# KiCad board AmigaPCI Mainboard.kicad_pcb (continued)
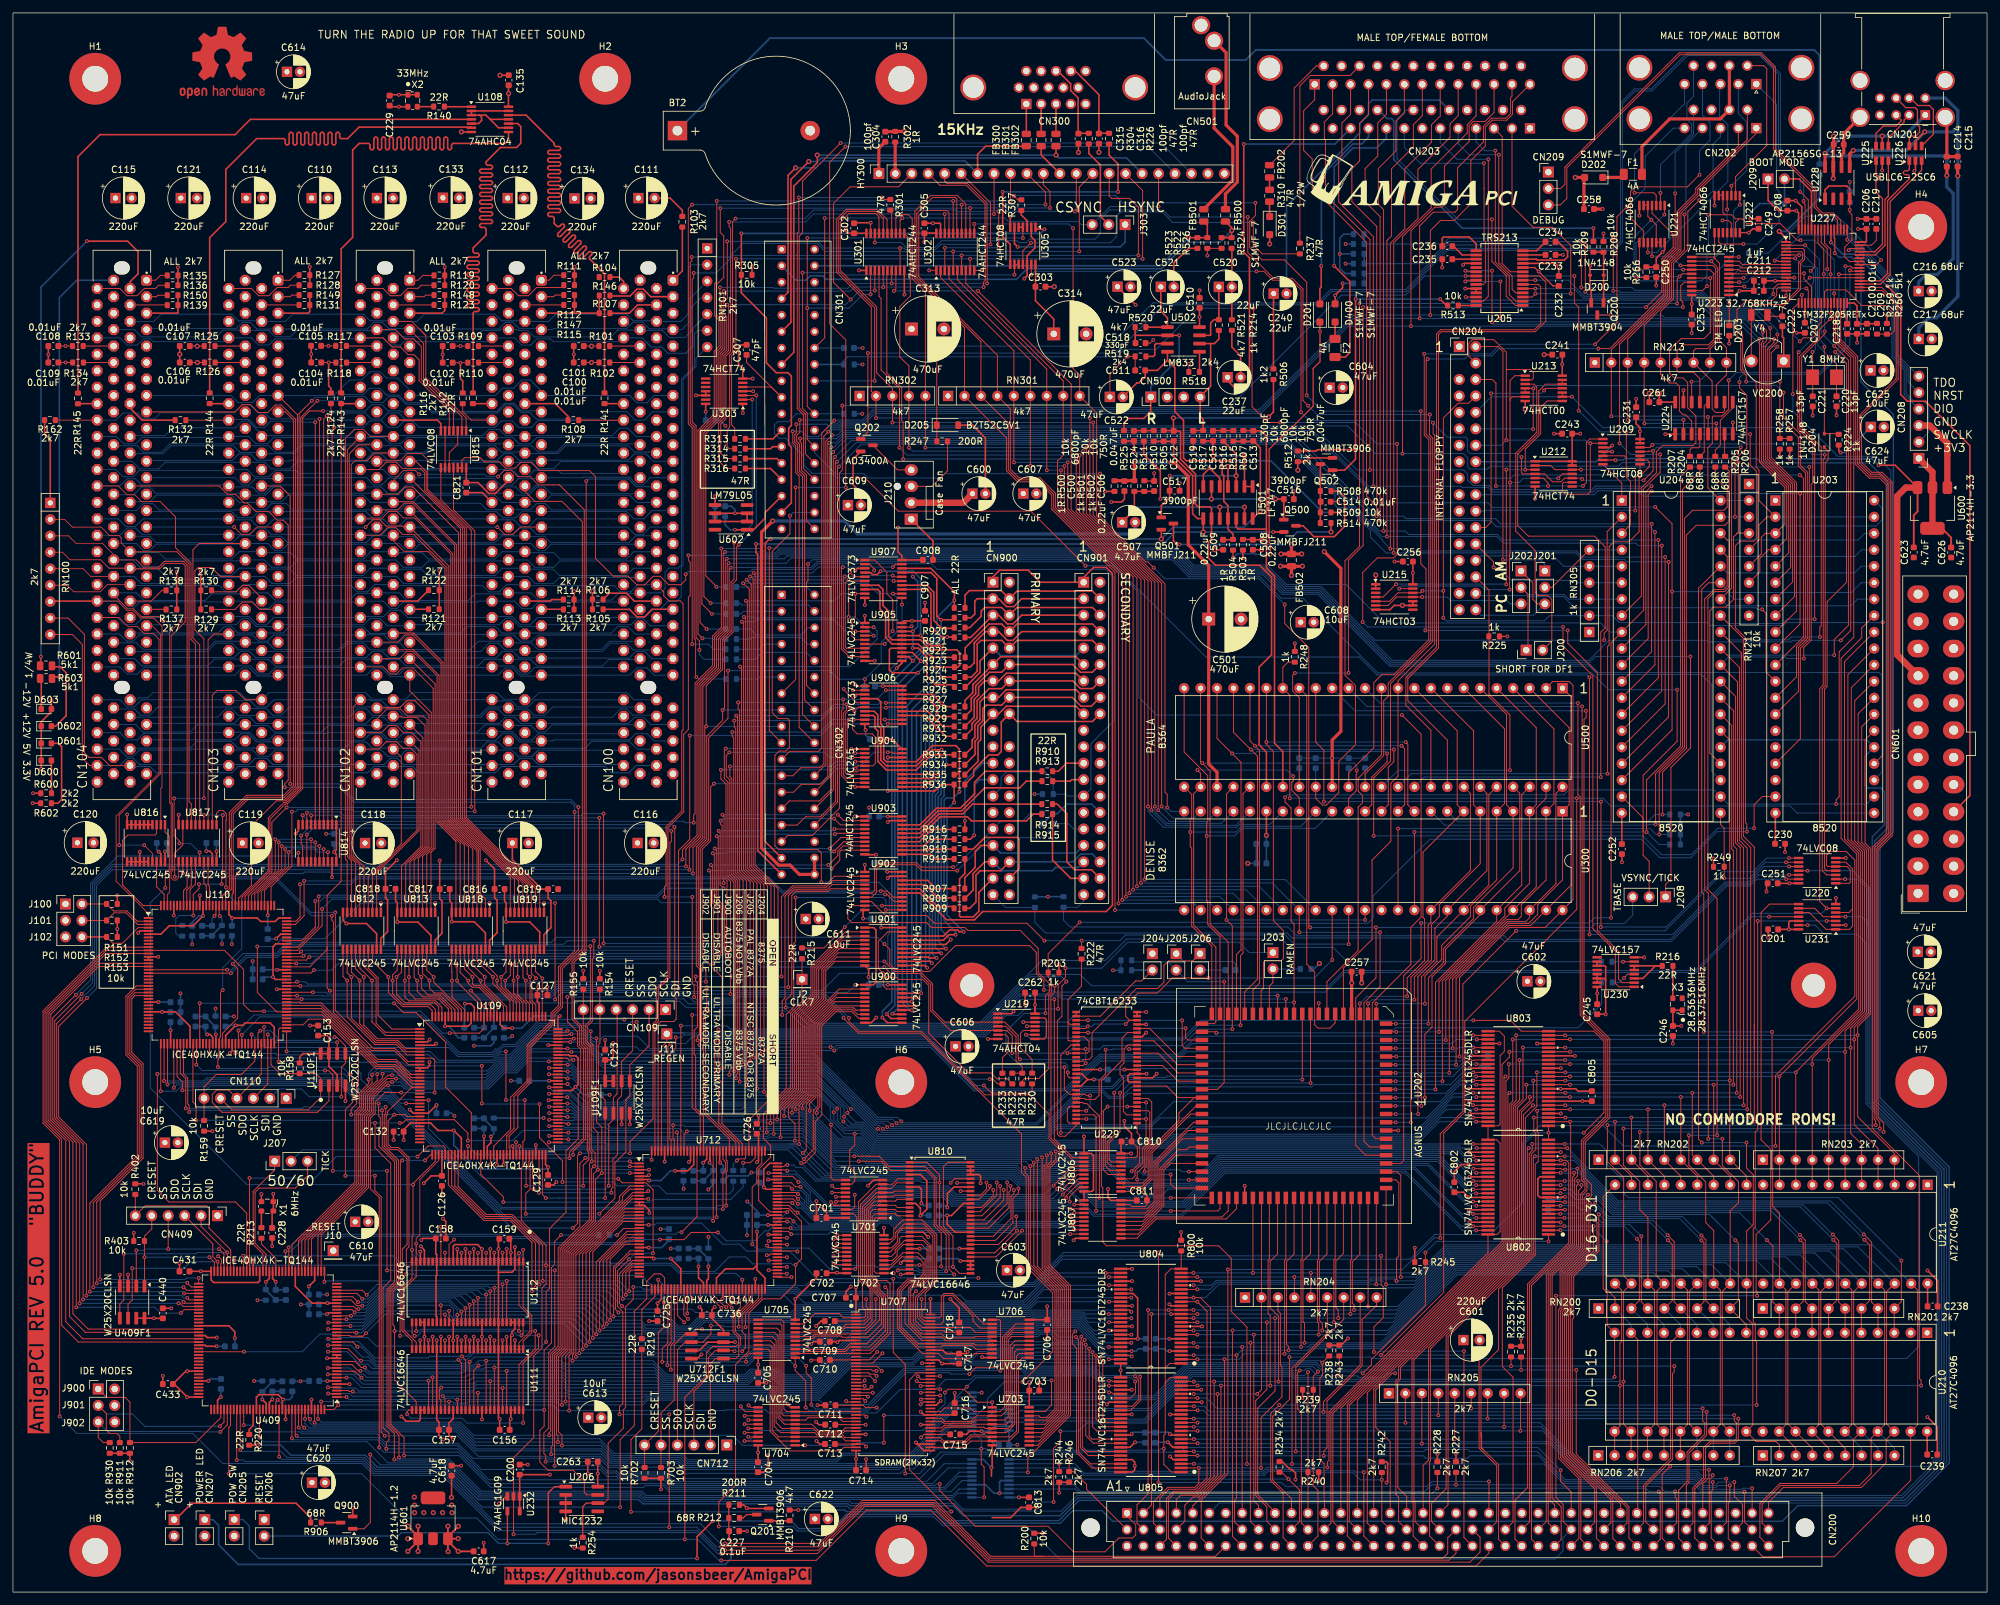
[diagram p0: board, top side]
## Routing (per net, layer and track width the routed paths; a pad name or vN(x,y) marks a point on that pad's centre or on a via; arc(x,y) is an arc through that point) (continued)
Net-(R144-Pad2): length 99.7
  Top w0.25: U108.6 70.69,226.21 53.43,226.21 51.66,224.43 50.75,224.43 arc(50.54,224.52) 50.45,224.73 50.45,225.11 arc(50.36,225.32) 50.15,225.41 arc(49.94,225.32) 49.85,225.11 49.85,223.76 arc(49.76,223.55) 49.55,223.46 arc(49.34,223.55) 49.25,223.76 49.25,225.11 arc(49.16,225.32) 48.95,225.41 arc(48.74,225.32) 48.65,225.11 48.65,223.76 arc(48.56,223.55) 48.35,223.46 arc(48.14,223.55) 48.05,223.76 48.05,225.11 arc(47.96,225.32) 47.75,225.41 arc(47.54,225.32) 47.45,225.11 47.45,223.76 arc(47.36,223.55) 47.15,223.46 arc(46.94,223.55) 46.85,223.76 46.85,225.11 arc(46.76,225.32) 46.55,225.41 arc(46.34,225.32) 46.25,225.11 46.25,223.76 arc(46.16,223.55) 45.95,223.46 arc(45.74,223.55) 45.65,223.76 45.65,225.11 arc(45.56,225.32) 45.35,225.41 arc(45.14,225.32) 45.05,225.11 45.05,223.76 arc(44.96,223.55) 44.75,223.46 arc(44.54,223.55) 44.45,223.76 44.45,225.11 arc(44.36,225.32) 44.15,225.41 arc(43.94,225.32) 43.85,225.11 43.85,223.76 arc(43.76,223.55) 43.55,223.46 arc(43.34,223.55) 43.25,223.76 43.25,225.11 arc(43.16,225.32) 42.95,225.41 arc(42.74,225.32) 42.65,225.11 42.65,223.76 arc(42.56,223.55) 42.35,223.46 arc(42.14,223.55) 42.05,223.76 42.05,224.13 arc(41.96,224.35) 41.75,224.43 37.62,224.43 32.87,219.68 32.87,211.63 30.38,209.14 R144.2
Net-(R145-Pad2): length 99.6
  Top w0.25: U108.4 36.66,227.41 34.29,225.04 13.43,225.04 10.03,221.64 R145.2
Net-(R226-Pad2): length 37.4
  Top w0.25: 169.24,223.6 169.24,221.9 170.62,220.51 v1(170.62,216.21) ; U305.8 153.98,208.11 152.82,209.27 v1(152.82,216.21)
  Bottom w0.25: v1(152.82,216.21) v1(170.62,216.21)
Net-(R230-Pad2): length 9.3
  Top w0.15: R230.2 157.36,82.24 155.56,84.03 155.56,86.28 155.99,86.71 U219.10
Net-(R231-Pad2): length 11
  Top w0.15: R232.2 R231.2 155.83,81.1 154.87,82.06 154.87,85.79 153.29,87.36 U219.4
Net-(R233-Pad2): length 7.3
  Top w0.15: U219.6 153.27,86.06 153.66,85.67 153.66,83.43 152.77,82.54 152.77,80.5
Net-(R307-Pad1): length 3
  Top w0.25: R307.1 155.69,212.64 156.58,211.75 U305.3
Net-(U108-Pad11): length 18.5
  Top w0.25: 73.68,227.41 73.03,228.06 72.03,228.06 ; 73.68,227.41 U108.11 ; 73.68,227.41 74.98,226.11 U108.9 ; U108.5 71.89,226.76 72.36,227.23 72.36,227.73 72.03,228.06 ; 72.03,228.06 U108.3 U108.2 U108.13
Net-(U109-GNDPLL0): length 5.6
  Top w0.25: U109.53 v1(72.73,70.38)
  Bottom w0.25: v1(72.73,70.38) 72.73,71.58 ; 72.72,71.59 71.2,71.59
Net-(U109-GNDPLL1): length 6.8
  Top w0.25: U109.127 73.23,90.03 v1(72.72,90.54)
  Bottom w0.25: C139.2 C138.2 72.73,90.53 v1(72.72,90.54)
Net-(U109-VCCPLL0): length 8.1
  Top w0.25: v1(73.8,70.34) 73.8,69.39 73.23,68.82 U109.54
  Bottom w0.25: C136.1 C137.1 ; 72.72,73.06 R157.1 74.24,70.78 v1(73.8,70.34)
Net-(U109-VCCPLL1): length 9.7
  Top w0.25: U109.126 73.73,90.78 v1(73.66,90.86)
  Bottom w0.25: R156.1 74.27,90.24 v1(73.66,90.86) ; C139.1 C138.1 74.27,87.13
Net-(U110-GNDPLL0): length 4.9
  Top w0.25: v1(29.99,86.1) 30.41,86.1 30.84,85.67 U110.53
  Bottom w0.25: C150.2 C149.2 29.73,86.36 v1(29.99,86.1)
Net-(U110-GNDPLL1): length 4.9
  Top w0.15: v1(31.11,104.4) 31.34,104.63 U110.127
  Bottom w0.15: C152.2 30.74,104.03 v1(31.11,104.4)
  Bottom w0.25: C152.2 C151.2
Net-(U110-VCCPLL0): length 6.3
  Top w0.25: U110.54 v1(31.34,86.1)
  Bottom w0.25: v1(31.34,86.1) 31.27,86.17 R161.1 29.73,88.82 ; C150.1 C149.1
Net-(U110-VCCPLL1): length 7
  Top w0.15: U110.126 31.84,104.47 v1(31.94,104.37)
  Bottom w0.15: R160.1 32.27,104.04 v1(31.94,104.37)
  Bottom w0.25: 30.74,101.4 R160.1 ; C151.1 C152.1
Net-(U205B-C1+): length 10.5
  Top w0.25: C234.1 238.56,208.49 240.04,207.02 240.04,206.19 239.53,205.68 235.37,205.68 235.23,205.82 U205.12
Net-(U205B-C1-): length 4.1
  Top w0.25: C234.2 235.25,207.12 U205.14
Net-(U205B-C2+): length 8
  Top w0.25: U205.15 225.92,208.16 224.84,209.25 220.9,209.25 220.69,209.03 C236.2
Net-(U205B-C2-): length 4.1
  Top w0.25: U205.16 223.77,206.47 222.41,207.83
Net-(U205B-V+): length 3.5
  Top w0.25: U205.13 236.62,206.47
Net-(U205B-V-): length 3.5
  Top w0.25: U205.17 222.41,205.82
Net-(U219-Pad13): length 6.4
  Top w0.2: U219.8 159.21,85.41 159.56,85.75 159.56,88.41 159.3,88.66 U219.13
Net-(U220-Pad6): length 25.1
  Top w0.15: 275.74,104.93 277.35,104.93 279.95,102.33 283.53,102.33 284.03,102.83 284.03,106.35 ; 281.46,104.93 283.49,104.93 284.03,105.47 284.03,106.35 ; 284.03,106.35 284.03,111.68 283.02,112.69 U220.6
Net-(U227-VCAP_1): length 3.4
  Top w0.25: C218.1 283.18,196.69 282.7,197.17 U227.31
Net-(U227-VCAP_2): length 4.6
  Top w0.15: 287.7,210.48 287.7,208.72 286.95,207.97 U227.47
Net-(U230-I0b): length 10.1
  Top w0.25: U230.5 U230.6 254.63,96.7 ; R216.1 253.57,96.68 251.65,94.75 U230.3
Net-(U230-Za): length 3.9
  Top w0.15: U230.4 249.32,95.4 v1(248.75,94.83)
  Bottom w0.15: R217.2 248.06,94.14 v1(248.75,94.83)
Net-(U230-Zb): length 3.4
  Top w0.15: v1(248.59,97.34) 250.31,97.34
  Bottom w0.15: R253.2 v1(248.59,97.34)
Net-(U301-1Y2): length 3.4
  Top w0.15: U301.14 135.67,213.17
Net-(U409-GNDPLL0): length 4.6
  Top w0.25: v1(40.57,47.92) 40.09,48.4 U409.53
  Bottom w0.25: v1(40.57,47.92) 40.57,46.67 ; C438.2 40.58,46.66
Net-(U409-GNDPLL1): length 4.6
  Top w0.25: U409.127 39.59,29.28 v1(40.05,29.74)
  Bottom w0.25: v1(40.05,29.74) 40.05,31.02 ; C436.2 C437.2
Net-(U409-IO0_190): length 4.1
  Top w0.25: U409.122 37.09,25.71 36.48,25.1 R220.1
Net-(U409-VCCPLL0): length 6.8
  Top w0.25: v1(39.05,47.9) 39.59,48.44 U409.54
  Bottom w0.25: C438.1 C439.1 39.04,46.64 ; v1(39.05,47.9) 39.05,46.72
Net-(U409-VCCPLL1): length 6.7
  Top w0.25: U409.126 39.09,29.15 v1(38.5,29.74)
  Bottom w0.25: 40.05,32.48 R400.1 ; C437.1 C436.1 ; v1(38.5,29.74) 38.5,30.93
Net-(U501A--): length 14.6
  Top w0.25: U501.1 U501.2 v2(190.14,175.44) ; 185.29,177.76 183.81,177.76 ; C515.1 v2(185.29,175.45)
  Bottom w0.25: v2(185.29,175.45) 185.3,175.44 v2(190.14,175.44)
Net-(U501B--): length 22.6
  Top w0.25: 171.6,177.75 C524.1 173.08,176.2 v1(173.09,176.19) ; U501.5 186.33,172 v1(184.77,173.56) 183.79,172.58 U501.7
  Bottom w0.25: v1(184.77,173.56) 182.38,175.94 173.33,175.94 v1(173.09,176.19)
Net-(U502A-+): length 5.1
  Top w0.25: U502.3 176.48,192.78 176.3,192.61 176.3,191.02 176.08,190.8 R519.1
Net-(U502B-+): length 3.1
  Top w0.25: R518.1 183.2,191.51
Net-(U712-GNDPLL0): length 6.6
  Top w0.25: v1(105.85,50.27) 105.85,48.52 106.62,47.76 U712.53
  Bottom w0.25: C735.2 C730.2 v1(105.85,50.27)
Net-(U712-GNDPLL1): length 4.8
  Top w0.25: v1(106.57,66.3) 107.12,66.84 U712.127
  Bottom w0.25: v1(106.57,66.3) 106.57,65.06 ; C729.2 C728.2
Net-(U712-IO0_169): length 4.5
  Top w0.15: v1(112.74,66.29) 113.85,66.29 114.62,67.06 U712.112
  Bottom w0.15: v1(112.74,66.29) R251.1
Net-(U712-IO0_172): length 4.3
  Top w0.15: U712.115 113.12,67.03 112.98,66.89 112.04,66.89 v1(111.78,66.63)
  Bottom w0.15: v1(111.78,66.63) 111.22,66.07 111.22,65.11
Net-(U712-IO2_57): length 8.5
  Top w0.15: U712.38 99.12,45.64 97.1,43.62 R219.1
Net-(U712-IO3_14A_GBIN6): length 4.9
  Top w0.15: v1(93.27,55.13) 94.26,56.12 96.63,56.12
  Bottom w0.15: v1(93.27,55.13) R218.1
Net-(U712-VCCPLL0): length 8.5
  Top w0.25: U712.54 107.12,48.12 107.38,48.38 v1(107.38,50.27)
  Bottom w0.25: C735.1 C730.1 ; 105.85,52.97 R701.2 v1(107.38,50.27)
Net-(U712-VCCPLL1): length 7.6
  Top w0.25: 107.62,67 107.62,66.39 v1(107.54,66.32) ; 107.62,67 U712.126 ; 107.62,67 107.62,66.38
  Bottom w0.25: v1(107.54,66.32) 108.12,65.74 R700.1 ; C729.1 C728.1 108.12,65.03
Net-(U815-Pad6): length 5.7
  Top w0.15: U815.9 U815.6
Net-(U815-Pad10): length 6.3
  Top w0.15: U815.3 68.67,177.24 67.37,175.94 U815.10
Net-(U902A-B6): length 18.1
  Top w0.15: v1(128.44,102.69) 125.21,99.46 R215.1 ; v1(134.17,105.99) U902.12
  Bottom w0.15: v1(128.44,102.69) 131.74,105.99 v1(134.17,105.99)
Net-(U903A-B0): length 26.1
  Top w0.25: R910.1 150.16,126.74 148.48,125.06 148.48,123.27 146.27,121.05 142.61,121.05 140.02,118.46 U903.18
Net-(U903A-B1): length 24.7
  Top w0.25: 137.25,117.81 140.01,117.81 142.8,120.6 146.46,120.6 150.03,124.18 155.44,124.18 156.48,125.22 R913.1
Net-(U903A-B2): length 23.5
  Top w0.25: R914.1 148.16,121.67 146.64,120.16 142.98,120.16 139.99,117.16 U903.16
Net-(U903A-B3): length 23.6
  Top w0.25: R915.1 157.52,120.12 156.47,119.07 148.01,119.07 147.38,119.7 143.17,119.7 139.98,116.51 U903.15
Net-(U903A-B4): length 8.9
  Top w0.25: R916.1 141.87,117.77 139.96,115.86 U903.14
Net-(U903A-B5): length 8.5
  Top w0.25: R917.1 141.68,116.25 140.64,115.21 U903.13
Net-(U903A-B6): length 8.1
  Top w0.25: R918.1 141.5,114.72 141.35,114.56 U903.12
Net-(U903A-B7): length 8.4
  Top w0.25: 137.25,113.91 141.7,113.91 142.43,113.19 R919.1
Net-(X1-OUT): length 2.6
  Top w0.25: R213.2 38.36,58.83
Net-(X2-OUT): length 2.5
  Top w0.25: 64.97,229.37 62.44,229.37
Net-(X3-OUT): length 5
  Top w0.25: X3.3 256.29,96.66

## Copper pours and planes (outline as drawn; the poured copper is in the pictures)
+1V2 on Top: 60.53,16.43 60.52,11.05 63.71,11.04 63.71,5.71 66.03,5.71 66.03,11.04 69.02,11.04 69.02,16.43
+1V2 on In2.Cu: 81.58,39.11 120.7,39.16 120.6,110.42 -0.22,110.5 -0.03,-0.03 81.58,-0.09
+3V3 on In3.Cu: 304.8,0 0,0.03 0,243.84 304.8,243.84
+3V3SB on In3.Cu: 270.51,214.15 270.51,196.12 283.78,196.1 283.87,172.51 302.14,172.51 302.12,204.86 289.6,204.87 289.6,214.19
+5V on In2.Cu: 304.71,0.08 -0.09,0.1 -0.09,243.92 304.71,243.92
+12V on In3.Cu: 63.09,216.69 73.15,216.69 73.15,207.84 83.32,207.84 83.32,216.67 93.37,216.67 93.37,207.84 103.59,207.86 103.62,198.8 10.64,198.77 10.64,207.79 42.88,207.82 42.88,216.65 52.75,216.67 52.75,207.84 63.05,207.84
-12V on Bottom: 22.68,207.81 22.65,216.3 32.75,216.3 32.75,207.81 103.59,207.86 103.62,198.8 10.64,198.77 10.64,207.79
GND on Top, Bottom: 304.68,0.01 -0.12,0.03 -0.12,243.85 304.68,243.85
GND on In1.Cu: 304.66,0.02 -0.14,0.05 -0.14,243.86 304.66,243.86
GND on In4.Cu: 304.79,0.03 -0.01,0.06 -0.01,243.87 304.79,243.87
+AV on In2.Cu: 178.16,205.01 171.12,205 171.1,159.53 208.06,159.56 208.03,176.67 195.91,176.68 195.92,182.74 193.29,182.73 193.29,215.77 178.15,215.75
AUDIO on In1.Cu: 178.15,205.03 171.11,205.02 171.09,159.55 208.05,159.58 208.02,176.69 195.9,176.7 195.91,182.76 193.28,182.75 193.28,215.79 178.14,215.77

Small or netless copper shapes (teardrops, artwork), in the pictures only: 5872 on Top, 3007 on Bottom, 185 on In2.Cu, 39 on In3.Cu

## Text on the board
Top: https://github.com/jasonsbeer/AmigaPCI | AmigaPCI REV 5.0   {dblquote}BUDDY{dblquote}
F.Silkscreen: JLCJLCJLCJLC | J100 | J101 | J102 | J902 | J900 | J901 | + | ALL 2k7 | CN203 | VSYNC/TICK | 1/4W | ALL 22R | 47R / 1/2W | AGNUS | 28.37516MHz | STM LED | -12V +12V 5V 3.3V | CRESET / SS / SDO / SCLK / SDI / GND | TURN THE RADIO UP FOR THAT SWEET SOUND | DENISE | PAULA | TDO / NRST / DIO / GND / SWCLK / +3V3 | PRIMARY | SECONDARY | 50/60 | CSYNC | A1 | HSYNC | D0-D15 | D16-D31 | 1 | 15KHz | R | L | NO COMMODORE ROMS! | AM | PC
